# Altium PCB 202101904XB(公开).PcbDoc (part 6 of 6)
Units mil, origin at the board's own origin, x right, y up, seen from the top; angles counter-clockwise.
Board outline 5834.66 x 3390.86 mil, 10 copper layers (Top, GND_02, sig_03, GND04, sig_05, PWR06, GND07, sig_08, GND09, Bottom); 610 components, 281 nets, 2214 pads, 1000 vias.
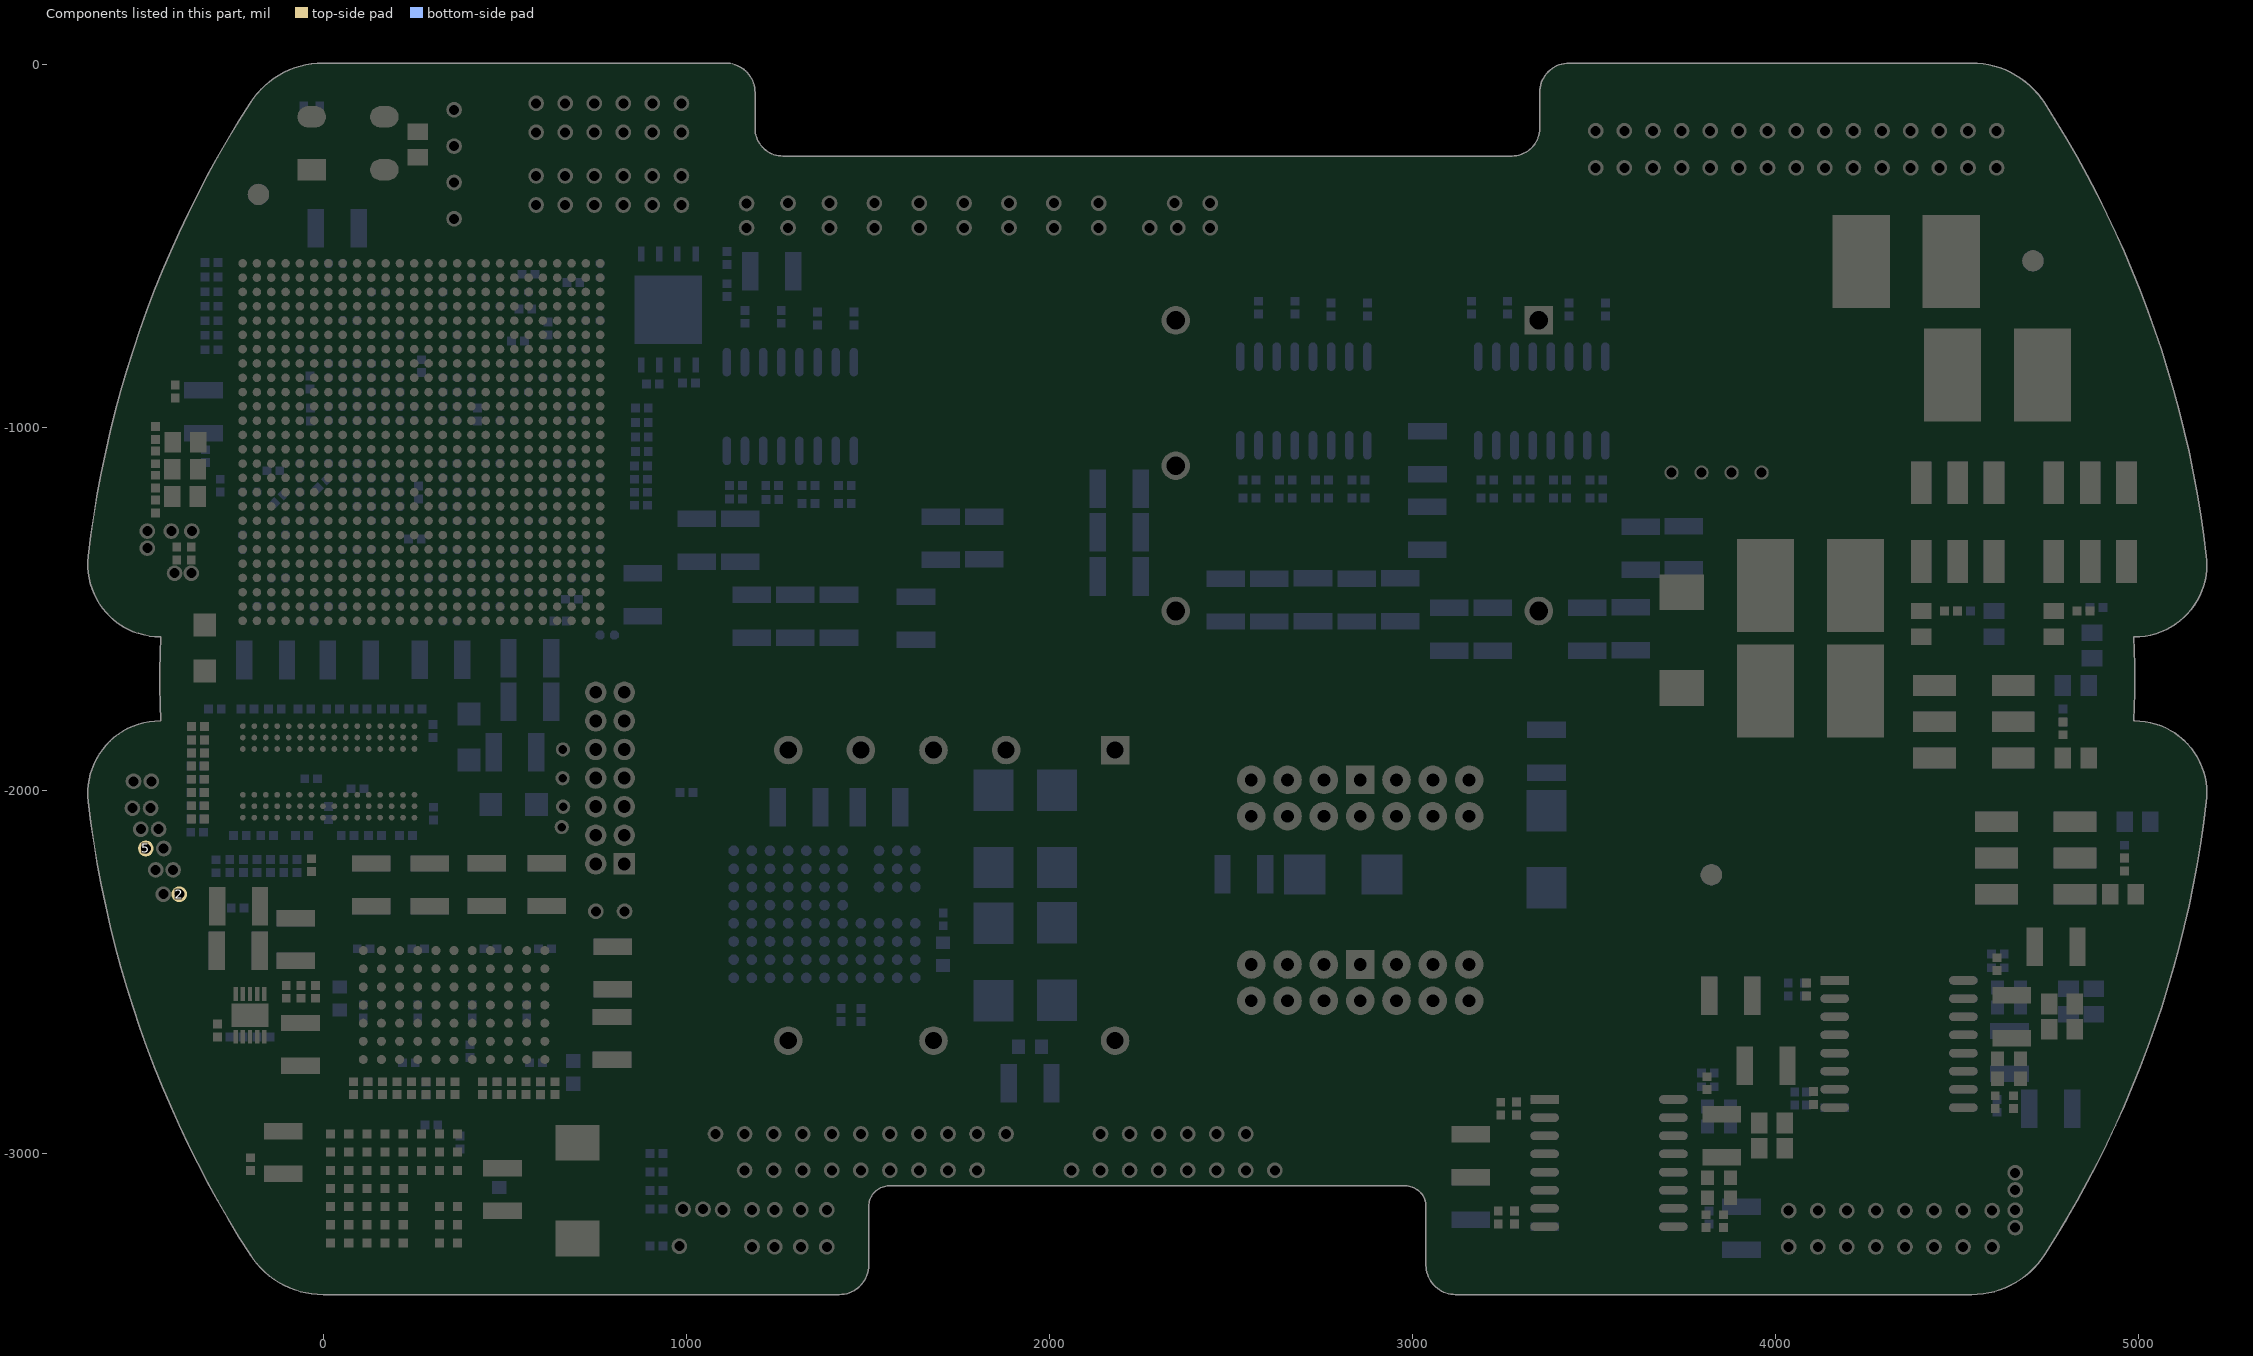
[diagram p14: the components of this part, seen from the top]

## Via types
v1: diameter 18, hole 10, Top to Bottom, tented both sides, 880 vias
v2: diameter 16, hole 8, Top to Bottom, tented both sides, 91 vias
v3: diameter 50, hole 28, Top to Bottom, tented both sides, 22 vias
v4: diameter 24, hole 12, Top to Bottom, tented both sides, 5 vias
v5: diameter 40, hole 40, Top to Bottom, 2 vias

## Nets (pads, with @x,y where several pads share a name; then routed paths per layer and width w, separated by ;. In a path a pad name is that pad's centre, name@x,y a point inside that pad or via, vN(x,y) a via of type N, cw(c..) or ccw(c..) an arc to the next point about the centre after c; other vN are vias at no path point) (continued)
pads on no net: D1.A3 D1.A4 D1.A8 D1.A9 D1.A10 D1.A12 D1.A13 D1.A14 D1.A15 D1.A17 D1.A18 D1.A19 D1.A20 D1.AA4 D1.AA12 D1.AA13 D1.AA14 D1.AA15 D1.AA17 D1.AA18 D1.AA19 D1.AA20 D1.AA22 D1.AA23 D1.AA24 D1.AB4 D1.AB6 D1.AB11 D1.AB12 D1.AB14 D1.AB15 D1.AB16 D1.AB17 D1.AB19 D1.AB20 D1.AB21 D1.AB22 D1.AB24 D1.AC3 D1.AC4 D1.AC6 D1.AC11 D1.AC12 D1.AC13 D1.AC14 D1.AC16 D1.AC17 D1.AC18 D1.AC19 D1.AC21 D1.AC22 D1.AC23 D1.AD1 D1.AD4 D1.AD5 D1.AD6 D1.AD10 D1.AD11 D1.AD13 D1.AD14 D1.AD15 D1.AD16 D1.AD18 D1.AD19 D1.AD20 D1.AD21 D1.AD23 D1.AD24 D1.AE1 D1.AE2 D1.AE3 D1.AE5 D1.AE6 D1.AE8 D1.AE10 D1.AE12 D1.AE13 D1.AE15 D1.AE16 D1.AE17 D1.AE18 D1.AE20 D1.AE21 D1.AE22 D1.AE23 D1.AF2 D1.AF3 D1.AF4 D1.AF5 D1.AF8 D1.AF9 D1.AF10 D1.AF12 D1.AF13 D1.AF14 D1.AF15 D1.AF17 D1.AF18 D1.AF19 D1.AF20 D1.AF22 D1.AF23 D1.AF24 D1.B1 D1.B2 D1.B3 D1.B5 D1.B6 D1.B9 D1.B10 D1.B11 D1.B12 D1.B14 D1.B15 D1.B16 D1.B17 D1.B19 D1.B20 D1.B21 D1.B26 D1.C2 D1.C3 D1.C4 D1.C6 D1.C9 D1.C11 D1.C12 D1.C13 D1.C14 D1.C16 D1.C17 D1.C18 D1.C19 D1.C24 D1.C26 D1.D1 D1.D2 D1.D3 D1.D5 D1.D6 D1.D8 D1.D9 D1.D10 D1.D11 D1.D13 D1.D14 D1.D15 D1.D16 D1.D18 D1.D19 D1.D20 D1.D21 D1.E3 D1.E4 D1.E6 D1.E11 D1.E12 D1.E13 D1.E15 D1.E16 D1.E17 D1.E18 D1.E20 D1.E21 D1.F1 D1.F2 D1.F5 D1.F6 D1.F8 D1.F9 D1.F12 D1.F13 D1.F14 D1.F15 D1.F17 D1.F18 D1.F19 D1.F20 D1.G2 D1.G3 D1.G4 D1.G6 D1.G9 D1.G10 D1.G14 D1.G15 D1.G16 D1.G17 D1.G19 D1.G20 D1.H1 D1.H2 D1.H3 D1.H5 D1.H6 D1.H8 D1.H12 D1.H13 D1.H14 D1.H16 D1.H17 D1.H18 D1.H19 D1.J3 D1.J4 D1.J6 D1.J10 D1.J11 D1.J13 D1.J14 D1.J15 D1.J16 D1.J18 D1.J19 D1.J20 D1.J21 D1.J24 D1.K1 D1.K2 D1.K5 D1.K6 D1.K15 D1.K16 D1.K17 D1.K18 D1.K20 D1.K21 D1.L2 D1.L3 D1.L4 D1.L6 D1.L17 D1.L18 D1.L19 D1.L20 D1.M1 D1.M2 D1.M3 D1.M5 D1.M6 D1.M16 D1.M17 D1.M19 D1.M20 D1.M21 D1.M22 D1.M24 D1.N3 D1.N4 D1.N6 D1.N16 D1.N17 D1.N18 D1.N19 D1.N21 D1.P1 D1.P2 D1.P16 D1.P18 D1.P19 D1.P20 D1.P21 D1.P23 D1.R3 D1.R4 D1.R16 D1.R17 D1.R18 D1.R20 D1.R21 D1.R22 D1.R23 D1.T17 D1.T18 D1.T19 D1.T20 D1.T22 D1.T23 D1.T24 D1.U16 D1.U17 D1.U19 D1.U20 D1.U21 D1.U22 D1.U24 D1.V13 D1.V14 D1.V16 D1.V17 D1.V18 D1.V19 D1.V21 D1.V22 D1.V23 D1.W13 D1.W14 D1.W15 D1.W16 D1.W18 D1.W19 D1.W20 D1.W21 D1.W23 D1.Y5 D1.Y6 D1.Y12 D1.Y13 D1.Y15 D1.Y16 D1.Y17 D1.Y18 D1.Y20 D1.Y21 D1.Y22 D1.Y23 D2.9 D3.J1 D3.J9 D3.L1 D3.L9 D3.M7 D6.7 D6.8 D7.7 D7.9 D8.3 D9.1 D9.3 D9.5 D9.6 D10.C7 D10.F3 D10.J3 J1.12 J1.14 K5.3 K6.3 K7.3 K8.3 K9.3 K10.3 K11.3 K12.3 K20.12 K20.22 K20.32 K20.42 K21.12 K21.22 K21.32 K21.42 Y2.1
copper on no net:
  other v5: 1515.64,-1615.67 1515.64,-611.76

## Polygon pours and split planes (outlines as drawn)
+5V2 on Top "TOP-+5V2" (solid, pour order 184): 47 vertices, not listed, extent -175,-3259 132.33,-3034.42
GND on Top "TOP-GND" (solid, pour order 135): -95.67,-368.42 -113,-313.95 -112.67,-168.7 -113.14,-140.34 -60,-103.09 -33,-82 250,-82 316.33,-131.89 316.33,-331.75 276.33,-368.42
DDRVREF on Top "TOP-DDRVREF" (solid, pour order 188): 27 vertices, not listed, extent -305.67,-2729.42 -235.67,-2660.42
+1.5V on Top "TOP-+1.5V 1" (solid, pour order 182): 30 vertices, not listed, extent -188.67,-2578.42 60.33,-2447.42
+3.3V on Top "TOP-+1.5V" (solid, pour order 178): 135 vertices, not listed, extent 395.33,-2486.32 544.33,-2293.42
+1.0V on Top "TOP-+1.0V" (solid, pour order 176): 80 vertices, not listed, extent 557.33,-2551.42 680.33,-2290.42
+5V on Top "TOP-+5V" (solid, pour order 172): 652.33,-2530.42 656.33,-2526.42 843.33,-2526.42 856.33,-2539.42 856.33,-2638.42 850.33,-2644.42 663.33,-2644.42 652.33,-2633.42 652.33,-2530.42
KZGD+ on Top "TOP-KZGD+" (solid, pour order 169): 3648.72,-1864.75 3648.72,-1943.75 3642.72,-1949.75 3464.72,-1949.75 3453.72,-1938.75 3453.72,-1868.75 3466.72,-1855.75 3639.72,-1855.75 3648.72,-1864.75
+B on Top "TOP-+B 2" (solid, pour order 167): 610.33,-3184.42 784.33,-3184.42 788.33,-3188.42 788.33,-3270.42 768.33,-3290.42 315.33,-3290.42 303.33,-3278.42 303.33,-3139.42 309.33,-3133.42 559.33,-3133.42 610.33,-3184.42
+B on Top "TOP-+B 1" (solid, pour order 161): 562,-218 1016,-218 1016,-77 562,-77 562,-218
+1.8V on Top "TOP-+1.8V" (solid, pour order 157): 238.33,-2296.42 239.33,-2295.42 345.33,-2295.42 349.33,-2299.42 349.33,-2388.42 341.33,-2396.42 269.33,-2396.42 238.33,-2365.42 238.33,-2296.42
+3.3V on Top "TOP-+3.3V 2" (solid, pour order 154): 82 vertices, not listed, extent -228.67,-2812.42 3.33,-2660.92
+3.3V on Top "TOP-+3.3V 1" (solid, remove dead copper, pour order 153): 233 vertices, not listed, extent 687.33,-1683.42 1890.33,-564.42
+1.5V on Top "TOP-+3.3V" (solid, pour order 150): 89 vertices, not listed, extent 77.33,-2500.42 223.33,-2293.42
GND on Top "TOP-GND 6" (solid, pour order 145): 430.33,-3051.42 430.33,-2936.42 446.33,-2920.42 754.33,-2920.42 774.33,-2940.42 774.33,-2995.42 753.33,-3016.42 587.33,-3016.42 543.33,-3060.42 439.33,-3060.42 430.33,-3051.42
GND on Top "TOP-GND 5" (solid, pour order 144): 670,-2178.42 670,-2221.42 666.18,-2225.42 39.1,-2225.42 34.33,-2220.42 34.33,-2171.42 43.87,-2161.42 653.77,-2161.42 670,-2178.42
GND on Top "TOP-GND 3" (solid, pour order 141): 736.58,-2722.08 739.58,-2719.08 856.58,-2719.08 860.58,-2723.08 860.58,-2815.08 849.58,-2826.08 742.58,-2826.08 736.58,-2820.08 736.58,-2722.08
GND on Top "TOP-GND 2" (solid, pour order 139): 17 vertices, not listed, extent -198.67,-2497.42 33.33,-2210.42
GND on Top "TOP-GND 1" (solid, pour order 137): 24 vertices, not listed, extent -256.67,-2663.42 2.33,-2559.42
HC3+ on Top "TOP-HC3+" (solid, pour order 116): 3890.33,-1562.42 4052.58,-1562.42 4052.58,-1265.14 3890.33,-1265.14 3890.33,-1562.42
HC4+ on Top "TOP-HC4+" (solid, pour order 113): 4052.81,-1784 3824,-1784 3824,-1897.14 4052.81,-1897.14 4052.81,-1784
JS1 on Top "TOP-JS1" (solid, pour order 107): 4460.58,-1206.14 4460.58,-1046.14 4405.58,-991.14 4405.58,-416.14 4565.58,-416.14 4565.58,-1016.14 4535.58,-1046.14 4535.58,-1206.14 4525.58,-1216.14 4470.58,-1216.14 4460.58,-1206.14
JS2 on Top "TOP-JS2" (solid, pour order 106): 4350.58,-1856.14 4145.58,-1856.14 4135.58,-1846.14 4135.58,-1311.14 4145.58,-1301.14 4290.58,-1301.14 4300.58,-1311.14 4300.58,-1721.14 4355.58,-1776.14 4495.58,-1776.14 4500.58,-1781.14 4500.58,-1831.14 4490.58,-1841.14 4365.58,-1841.14 4350.58,-1856.14
GND on Top "NetR41_1" (solid, remove dead copper, pour order 115): 31 vertices, not listed, extent -222.36,-3109 182.64,-2911
+3.3V on Top "NetR41_1" (solid, remove dead copper, pour order 123): 3176.64,-2884 3165.64,-2884 3135.64,-2854 3134.64,-2853 3119.64,-2853 3108.64,-2853 3101.64,-2860 3101.64,-2964.19 3106.46,-2969 3209.64,-2969 3216.64,-2962 3216.64,-2890 3210.64,-2884 3177.64,-2884
DDR0V75 on Top "TOP-DDR0V75" (solid, pour order 185): 37 vertices, not listed, extent -395,-2580.18 -62.67,-1872.84
GND on sig_03 "GND" (solid, remove dead copper, pour order 103): 3478,-1545 3707,-1545 3980,-1818 3980,-2863 3933,-2910 3536,-2910 3465,-2832 3465,-1565
GND on sig_03 "GND" (solid, remove dead copper, pour order 100): 38 vertices, not listed, extent 572,-2418 4992,-244
GND on sig_03 "GND" (solid, remove dead copper, pour order 99): 20 vertices, not listed, extent 914,-2822 3199,-1694
GND on sig_03 "GND-2YL" (solid, remove dead copper, pour order 104): 329,-2903 329,-3282 2.64,-3282 -67.36,-3211.31 -67.36,-3084.06 -93.36,-3057.81 -93.36,-2945.71 -305.36,-2731.62 -305.36,-2617.5 -254.36,-2566 70.64,-2566 112.64,-2608.41 112.64,-2734.65 87.64,-2759.9 87.64,-2903.3
GND on sig_03 "GND-2YL" (solid, remove dead copper, pour order 110): 26 vertices, not listed, extent -445.36,-1139 242.64,-174
+B on sig_03 "SIG_03-+B" (solid, pour order 162): 571.06,-211 1019,-211 1019,-84 564,-84 564,-198.11 571.06,-211
+1.5V on sig_03 "NetR41_1" (solid, remove dead copper, pour order 101): 101.64,-2337 201.64,-2337 213.64,-2349.18 213.64,-2515.64 189.64,-2540 -14.36,-2540 -33.36,-2520.72 -33.36,-2361.36 -29.36,-2357.3 -9.36,-2337 99.64,-2337
+1.8V on sig_03 "1.8V" (solid, remove dead copper, pour order 112): 29 vertices, not listed, extent 16,-2484 542,-883.66
GND on sig_05 "GND" (solid, remove dead copper, pour order 117): 20 vertices, not listed, extent 2419,-1744 4268,-421
GND on sig_05 "GND" (solid, remove dead copper, pour order 111): 3476,-230 3476,-359 3500,-383 3834,-717 4262,-717 4722,-717 4805,-634 4807,-632 4807,-456 4807,-413 4633,-239 4611,-217 3476,-217
GND on sig_05 "GND" (solid, remove dead copper, pour order 105): 3567,-2733 3883,-2417 4936,-2417 4936,-2527 4920,-2599 4920,-2745 4755,-2910 4755,-3087 4695,-3147 3233,-3148 3089,-3015 2921,-3014 2921,-2752 2940,-2733
KZGD- on sig_05 "KZGD-" (solid, remove dead copper, pour order 97): 1952,-2819.63 1952,-2922.48 1892.09,-2975.35 1871.39,-2993.61 1539.15,-2993.61 1495,-3063 1412,-3125 1412,-3306 1079.47,-3306 1025,-3257.94 1026.09,-3256.98 1026.09,-2905.18 1163.34,-2784.07 1189.49,-2761 1859.41,-2761
GND on sig_05 "NetR41_1" (solid, remove dead copper, pour order 124): 1810.64,-729 2130.64,-1049 2130.64,-1481 2087.64,-1524 1839.64,-1524 1665.64,-1698 1342.64,-1698 1243.64,-1599 1243.64,-1570 1209.64,-1536 1100.64,-1536 1038.64,-1474 1039,-765 1106,-729
GND on sig_05 "GND-2YL" (solid, remove dead copper, pour order 122): 1341.64,-2103 1773.64,-2103 1826.64,-2156 1826.64,-2530 1771.64,-2585 1119.64,-2585 1069.64,-2535 1069.64,-2361 1119.64,-2311 1327.64,-2103 1341.64,-2103
GND on sig_05 "GND-2YL" (solid, remove dead copper, pour order 120): 18 vertices, not listed, extent -189.36,-2440 648,-2159
GND on sig_05 "GND-2YL" (solid, remove dead copper, pour order 119): 68.64,-2825 724.64,-2825 746.64,-2847 746.64,-3211 675.64,-3282 464.64,-3282 43.64,-3282 -15.36,-3223 -20.36,-3218 -20.36,-2846 0.64,-2825 67.64,-2825
VCCADC on sig_05 "SIG_05-VCCADC" (solid, pour order 191): 101 vertices, not listed, extent 173.33,-1025.42 279.33,-953.42
+5V on sig_05 "SIG_05-+5V" (solid, pour order 171): 734.33,-2491.42 761.33,-2518.42 761.33,-2755.42 714.33,-2802.42 82.33,-2802.42 45.33,-2765.42 45.33,-2532.42 86.33,-2491.42 734.33,-2491.42
+B on sig_05 "SIG_05-+B" (solid, pour order 163): 568.82,-215 1014,-215 1014,-83 561,-83 561,-200.11 568.82,-215
AGND on sig_05 "SIG_05-AGND" (solid, pour order 147): 128.33,-1053.42 144.33,-1037.42 206.33,-1037.42 212.33,-1043.42 212.33,-1122.42 204.33,-1130.42 130.33,-1130.42 128.33,-1128.42 128.33,-1053.42
NetK5_5 on sig_05 "SIG_05-NETK5_5" (solid, pour order 125): 186 vertices, not listed, extent 4362.33,-1275.42 4901.33,-1040.42
+B on sig_05 "SIG_05-+B 1" (solid, pour order 168): 2501.64,-3050 2501.64,-2868.6 2110.33,-2487.47 2110.33,-2316.06 2124.33,-2302.42 2433.33,-2302.42 2480.33,-2348.2 2478.33,-2350.15 2478.33,-2586.82 2530.33,-2637.46 2598.33,-2637.46 2755.64,-2790.68 2755.64,-2972.19 2659.33,-3066 2518.07,-3066
NetK9_5 on sig_05 "NetR41_1" (solid, remove dead copper, pour order 128): 17 vertices, not listed, extent 4158.64,-2317 4603.64,-1658
GND on sig_08 "GND" (solid, remove dead copper, pour order 114): 4,-2880 -18,-2880 -50,-2912 -62,-2924 -62,-3190 -62,-3220 -5,-3277 10,-3292 497,-3292 561,-3292 616,-3237 637,-3216 637,-2983 637,-2934 584,-2881
GND on sig_08 "GND" (solid, remove dead copper, pour order 108): 23 vertices, not listed, extent 1246,-1430 5021,-249
KZGD+ on sig_08 "KZGD+" (solid, remove dead copper, pour order 98): 28 vertices, not listed, extent 694,-3237 4187,-1855
DDRVREF on sig_08 "SIG_08-DDRVREF" (solid, pour order 187): 190 vertices, not listed, extent -52.67,-1872.42 171.33,-1255.42
+B on sig_08 "SIG_08-+B" (solid, pour order 164): 563,-211 1019,-211 1019,-87 563,-87 563,-211
+3.3V on sig_08 "NetR41_1" (solid, remove dead copper, pour order 109): -36.36,-1184 -391.36,-1184 -440.36,-1135 -440.36,-965 -304.36,-829 -304.36,-494 -275.36,-465 198.64,-465 268.64,-535 268.64,-758 240.64,-786 26.64,-786 3.64,-809 3.64,-1144
+BB on sig_08 "SIG_08-+BB" (solid, remove dead copper, pour order 158): 125 vertices, not listed, extent 959.33,-2277.42 3665.83,-1390.42
+1.0V on sig_08 "1.0V" (solid, remove dead copper, pour order 102): 664.58,-2536.74 606.18,-2536.74 291,-2221.57 291,-1297.77 19,-1025.77 19,-834 302,-834 515,-1044 514,-2203 665,-2356
+BB on Bottom "BOTTOM-+BB" (solid, pour order 159): 22 vertices, not listed, extent 1505.58,-2431.14 2090.58,-1988.64
VCCADC on Bottom "BOTTOM-VCCADC" (solid, pour order 192): 441.33,-1848.42 446.33,-1843.42 484.33,-1843.42 493.33,-1852.42 493.33,-1970.42 478.33,-1985.42 379.33,-1985.42 370.33,-1976.42 370.33,-1893.42 378.33,-1885.42 439.33,-1885.42 441.33,-1883.42 441.33,-1848.42
NetC271_2 on Bottom "BOTTOM-NETC271_2" (solid, pour order 190): 1965.58,-2686.14 2113.61,-2686.14 2168.61,-2631.14 2235.58,-2631.14 2260.58,-2656.14 2260.58,-2823.74 2223.18,-2861.14 2000.58,-2861.14 1985.58,-2846.14 1985.58,-2746.14 1960.58,-2721.14 1960.58,-2691.14 1965.58,-2686.14
NetC271_1 on Bottom "BOTTOM-NETC271_1" (solid, pour order 189): 1635.58,-2823.74 1635.58,-2656.14 1660.58,-2631.14 1700.58,-2631.14 1755.58,-2686.14 1930.58,-2686.14 1935.58,-2691.14 1935.58,-2721.14 1910.58,-2746.14 1910.58,-2846.14 1895.58,-2861.14 1672.99,-2861.14 1650.58,-2838.74 1635.58,-2823.74
+1.5V on Bottom "BOTTOM-+1.5V 4" (solid, pour order 183): -387.67,-994.42 -382.67,-989.42 -268.67,-989.42 -260.67,-981.42 -189.67,-981.42 -179.67,-991.42 -179.67,-1032.42 -197.67,-1050.42 -260.67,-1050.42 -267.67,-1043.42 -382.67,-1043.42 -387.67,-1038.42 -387.67,-994.42
+1.5V on Bottom "BOTTOM-+1.5V 3" (solid, pour order 181): -133.67,-2448.42 -129.67,-2444.42 37.33,-2444.42 52.33,-2459.42 52.33,-2496.42 43.33,-2505.42 -119.67,-2505.42 -133.67,-2491.42 -133.67,-2448.42
+1.5V on Bottom "BOTTOM-+1.5V 2" (solid, pour order 180): 113.78,-1698.42 108.78,-1693.42 108.78,-1587.42 115.28,-1580.92 180.28,-1580.92 184.78,-1585.42 184.78,-1690.42 176.78,-1698.42 113.78,-1698.42
+1.5V on Bottom "BOTTOM-+1.5V 1" (solid, pour order 179): -116.16,-1698.42 -121.16,-1693.42 -121.16,-1587.42 -114.66,-1580.92 -55.67,-1580.92 -46.67,-1589.92 -46.67,-1691.42 -53.67,-1698.42 -116.16,-1698.42
+3.3V on Bottom "BOTTOM-+1.5V" (solid, pour order 177): 18 vertices, not listed, extent 395.33,-2478.42 547.33,-2295.42
+1.0V on Bottom "BOTTOM-+1.0V 1" (solid, pour order 175): 19 vertices, not listed, extent 560.33,-2525.42 679.33,-2294.42
+1.0V on Bottom "BOTTOM-+1.0V" (solid, pour order 174): 362.33,-1580.42 363.33,-1579.42 429.33,-1579.42 432.33,-1582.42 432.33,-1685.42 427.33,-1690.42 368.33,-1690.42 362.33,-1684.42 362.33,-1580.42
+5V on Bottom "BOTTOM-+5V" (solid, pour order 173): 114 vertices, not listed, extent 654.33,-2647.42 1295.58,-1986.14
NetD9_2 on Bottom "BOTTOM-NETD9_2" (solid, pour order 170): 1787.58,-2058.14 2082.58,-2058.14 2082.58,-1833.42 1787.58,-1833.42 1787.58,-2058.14
+B on Bottom "BOTTOM-+B 2" (solid, pour order 166): 435.33,-3148.42 446.33,-3137.42 548.33,-3137.42 558.33,-3147.42 558.33,-3264.42 547.33,-3275.42 447.33,-3275.42 435.33,-3263.42 435.33,-3148.42
+B on Bottom "BOTTOM-+B 1" (solid, pour order 165): 560,-219 1016,-219 1016,-80 560,-80 560,-219
+1.8V on Bottom "BOTTOM-+1.8V 1" (solid, pour order 156): 27 vertices, not listed, extent 238.33,-2476.42 357.33,-2296.42
+1.8V on Bottom "BOTTOM-+1.8V" (solid, pour order 155): 528.33,-1808.42 515.33,-1821.42 370.33,-1821.42 366.33,-1817.42 366.33,-1759.42 372.33,-1753.42 436.33,-1753.42 448.33,-1741.42 448.33,-1583.42 454.33,-1577.42 523.33,-1577.42 528.33,-1582.42 528.33,-1808.42
+3.3V on Bottom "BOTTOM-+3.3V 2" (solid, pour order 152): 824.33,-1421.42 824.33,-1344.42 830.33,-1338.42 931.33,-1338.42 940.33,-1347.42 940.33,-1418.42 934.33,-1424.42 827.33,-1424.42 824.33,-1421.42
+3.3V on Bottom "BOTTOM-+3.3V 1" (solid, pour order 151): 106.32,-537.4 71.33,-502.42 71.33,-397.42 72.33,-396.42 157.33,-396.42 167.33,-406.42 167.33,-532.42 162.34,-537.4 106.32,-537.4
+1.5V on Bottom "BOTTOM-+3.3V" (solid, pour order 149): 75.33,-2300.42 80.33,-2295.42 186.33,-2295.42 203.33,-2312.42 203.33,-2443.42 198.33,-2448.42 177.33,-2448.42 148.33,-2477.42 125.33,-2477.42 116.33,-2468.42 116.33,-2409.42 75.33,-2368.42 75.33,-2300.42
AGND on Bottom "BOTTOM-AGND" (solid, pour order 148): 556.33,-1851.42 565.33,-1842.42 608.33,-1842.42 618.33,-1852.42 618.33,-2060.42 608.33,-2070.42 562.33,-2070.42 556.33,-2064.42 556.33,-1851.42
GND on Bottom "BOTTOM-GND 14" (solid, pour order 146): 1330.58,-2326.14 1315.58,-2311.14 1315.58,-2134.64 1345.58,-2104.64 1345.58,-1993.64 1350.58,-1988.64 1493.08,-1988.64 1500.58,-1996.14 1500.58,-2119.76 1498.56,-2121.77 1498.56,-2283.16 1455.58,-2326.14 1330.58,-2326.14
GND on Bottom "BOTTOM-GND 13" (solid, pour order 143): 34.33,-2177.42 49.6,-2161.42 658.5,-2161.42 669,-2172.42 669,-2224.42 666.14,-2227.42 43.87,-2227.42 34.33,-2217.42 34.33,-2177.42
GND on Bottom "BOTTOM-GND 12" (solid, pour order 142): 860.33,-2723.42 860.33,-2815.42 849.33,-2826.42 742.33,-2826.42 736.33,-2820.42 736.33,-2766.42 732.33,-2762.42 679.33,-2762.42 671.33,-2754.42 671.33,-2728.42 680.33,-2719.42 856.33,-2719.42 860.33,-2723.42
GND on Bottom "BOTTOM-GND 10" (solid, pour order 140): -258.67,-936.42 -276.67,-918.42 -378.67,-918.42 -384.67,-912.42 -384.67,-849.42 -367.67,-832.42 -163.67,-832.42 -150.67,-845.42 -150.67,-916.42 -170.67,-936.42 -258.67,-936.42
GND on Bottom "BOTTOM-GND 9" (solid, pour order 138): -148.67,-2491.42 -151.67,-2494.42 -192.67,-2494.42 -196.67,-2490.42 -196.67,-2376.42 -228.67,-2344.42 -228.67,-2291.42 -206.67,-2269.42 28.33,-2269.42 38.33,-2279.42 38.33,-2356.42 20.33,-2374.42 -136.67,-2374.42 -148.67,-2386.42 -148.67,-2491.42
GND on Bottom "BOTTOM-GND 8" (solid, pour order 136): 495.33,-2007.42 496.33,-2008.42 496.33,-2069.42 493.33,-2072.42 402.33,-2072.42 396.33,-2066.42 396.33,-2011.42 400.33,-2007.42 495.33,-2007.42
GND on Bottom "BOTTOM-GND 6" (solid, pour order 134): 603.33,-1588.42 608.33,-1583.42 678.33,-1583.42 696.33,-1601.42 696.33,-1795.42 683.33,-1808.42 618.33,-1808.42 603.33,-1793.42 603.33,-1588.42
GND on Bottom "BOTTOM-GND 5" (solid, pour order 133): 888.33,-1227.42 880.33,-1219.42 880.33,-1094.42 881.33,-1093.42 881.33,-939.42 886.32,-934.44 939.34,-934.44 958.33,-953.42 958.33,-1223.42 954.33,-1227.42 888.33,-1227.42
GND on Bottom "BOTTOM-GND 4" (solid, pour order 132): -200.67,-1698.42 -263.67,-1698.42 -271.67,-1690.42 -271.67,-1585.42 -267.17,-1580.92 -202.17,-1580.92 -195.67,-1587.42 -195.67,-1693.42 -200.67,-1698.42
GND on Bottom "BOTTOM-GND 3" (solid, pour order 131): 29.27,-1698.42 -33.73,-1698.42 -38.67,-1693.48 -38.67,-1582.36 -37.23,-1580.92 27.77,-1580.92 34.27,-1587.42 34.27,-1693.42 29.27,-1698.42
GND on Bottom "BOTTOM-GND 2" (solid, pour order 129): 282.33,-1697.42 219.33,-1697.42 211.33,-1689.42 211.33,-1584.42 215.83,-1579.92 280.83,-1579.92 287.33,-1586.42 287.33,-1692.42 282.33,-1697.42
GND on Bottom "BOTTOM-GND 1" (solid, pour order 127): 936.83,-1500.85 936.83,-1577.85 930.83,-1583.85 829.83,-1583.85 820.83,-1574.85 820.83,-1503.85 826.83,-1497.85 933.83,-1497.85 936.83,-1500.85
GND on Bottom "BOTTOM-GND" (solid, pour order 126): 1.33,-392.42 1.33,-505.42 20.33,-524.42 20.33,-602.42 2.33,-620.42 -100.67,-620.42 -132.67,-588.42 -132.67,-410.42 -107.67,-385.42 -5.67,-385.42 1.33,-392.42
NetR6_1 on Bottom "BOTTOM-NETR6_1" (solid, pour order 121): 2754.64,-2284.14 2754.64,-2174.14 2574.64,-2174.14 2574.64,-2284.14 2754.64,-2284.14
+3.3V on Bottom "NetR41_1" (solid, remove dead copper, pour order 118): 20 vertices, not listed, extent 3100.64,-3205 3299.64,-3112
DDR0V75 on Bottom "BOTTOM-DDR0V75" (solid, pour order 186): 29 vertices, not listed, extent -411.67,-2494.42 -62.67,-1858.64
DDR0V75 on Bottom "NetR41_1" (solid, remove dead copper, pour order 130): -411.67,-1858.64 -402.06,-1849.03 -387.51,-1849.03 -381.94,-1843.46 -381.94,-1812.36 -380.97,-1811.4 -359.98,-1811.4 -351.38,-1811.4 -349.82,-1812.95 -349.82,-1878.95 -357.58,-1886.71 -397.48,-1886.71 -403.4,-1880.78 -411.67,-1872.51 -411.67,-1858.64
+B on Bottom "+B" (solid, pour order 160): 1790.58,-2640.04 2117.71,-2640.04 2238,-2519 2238,-2299 2134,-2299 2108,-2325 2108.33,-2495.42 2083.71,-2520.04 1790.58,-2520.04
GND on GND_02 (split plane): 553 vertices, not listed, extent -607.79,-3348.31 5146.95,-37.52
GND on GND04 (split plane): 553 vertices, not listed, extent -607.79,-3348.31 5146.95,-37.52
KZGD- on PWR06 (split plane): 63 vertices, not listed, extent 2009.1,-1886.04 3703.9,-999.1
KZGD+ on PWR06 (split plane): 41 vertices, not listed, extent 2009.1,-1638.9 3390.9,-1218.1
+B on PWR06 (split plane): 391 vertices, not listed, extent 406.74,-3308.26 5106.95,-77.53
+3.3V on PWR06 (split plane): 129 vertices, not listed, extent 1347.1,-3308.3 5038.44,-584.1
+1.5V on PWR06 (split plane): 161 vertices, not listed, extent -567.8,-2529.44 403.08,-1033.56
AGND on PWR06 (split plane): 43 vertices, not listed, extent -561.92,-1323.44 277.08,-862.56
+3.3V on PWR06 (split plane): 181 vertices, not listed, extent -457.95,-3308.3 945.55,-77.53
GND on GND07 (split plane): 553 vertices, not listed, extent -607.79,-3348.31 5146.95,-37.52
GND on GND09 (split plane): 553 vertices, not listed, extent -607.79,-3348.31 5146.95,-37.52

## Other copper
Top:
  rectangle net HC2+: 4086,-671 4245,-416
  rectangle net HC1+: 4654.64,-984 4861.64,-726
  rectangle net SGND: 661.64,-2907 717.64,-2833
  rectangle net DDR0V75: -374.95,-1883.46 -350.76,-1811.12
  rectangle net GND: 745,-2451 860,-2388
  pour cut-out: 936.93,-1170.6 936.65,-1170.39 936.36,-1170.2 936.05,-1170.03 935.73,-1169.9 935.4,-1169.79 935.06,-1169.71 934.71,-1169.66 934.37,-1169.64 934.02,-1169.66 933.67,-1169.7 933.33,-1169.77 932.99,-1169.87 932.67,-1170 932.36,-1170.16 932.06,-1170.35 931.79,-1170.56 931.73,-1170.6 931.73,-1170.61 930.63,-1171.47 929.46,-1172.23 928.22,-1172.88 926.94,-1173.43 925.61,-1173.86 924.25,-1174.18 922.86,-1174.37 921.47,-1174.44 920.07,-1174.39 918.68,-1174.22 917.31,-1173.93 915.98,-1173.52 914.68,-1173 913.44,-1172.37 912.25,-1171.63 911.14,-1170.78 910.1,-1169.85 909.14,-1168.83 908.28,-1167.73 907.52,-1166.55 906.87,-1165.32 906.32,-1164.03 905.89,-1162.7 905.58,-1161.34 905.38,-1159.96 905.31,-1158.56 905.36,-1157.17 905.53,-1155.78 905.82,-1154.41 906.23,-1153.07 906.75,-1151.78 907.39,-1150.53 908.13,-1149.35 908.97,-1148.23 909.9,-1147.19 910.92,-1146.24 912.03,-1145.38 913.2,-1144.62 914.43,-1143.96 915.72,-1143.42 917.05,-1142.99 918.41,-1142.67 919.79,-1142.48 921.19,-1142.4 922.59,-1142.45 923.97,-1142.62 925.34,-1142.91 926.68,-1143.32 927.97,-1143.85 929.22,-1144.48 930.4,-1145.22 931.52,-1146.06 931.73,-1146.24 932,-1146.46 932.3,-1146.65 932.6,-1146.81 932.92,-1146.95 933.26,-1147.06 933.6,-1147.14 933.94,-1147.19 934.29,-1147.2 934.64,-1147.19 934.99,-1147.15 935.33,-1147.08 935.66,-1146.98 935.98,-1146.85 936.29,-1146.69 936.59,-1146.5 936.87,-1146.29 936.93,-1146.24 936.92,-1146.24 938.03,-1145.38 939.2,-1144.62 940.43,-1143.96 941.72,-1143.42 943.05,-1142.99 944.41,-1142.67 945.79,-1142.48 947.19,-1142.4 948.59,-1142.45 949.97,-1142.62 951.34,-1142.91 952.68,-1143.32 953.97,-1143.85 955.22,-1144.48 956.4,-1145.22 957.52,-1146.06 958.56,-1147 959.51,-1148.02 960.37,-1149.12 961.13,-1150.3 961.79,-1151.53 962.33,-1152.82 962.77,-1154.14 963.08,-1155.51 963.27,-1156.89 963.35,-1158.29 963.3,-1159.68 963.13,-1161.07 962.84,-1162.44 962.43,-1163.77 961.9,-1165.07 961.27,-1166.31 960.53,-1167.5 959.69,-1168.62 958.75,-1169.65 957.73,-1170.61 956.63,-1171.47 955.46,-1172.23 954.22,-1172.88 952.94,-1173.43 951.61,-1173.86 950.25,-1174.18 948.86,-1174.37 947.47,-1174.44 946.07,-1174.39 944.68,-1174.22 943.31,-1173.93 941.98,-1173.52 940.68,-1173 939.44,-1172.37 938.25,-1171.63 937.14,-1170.78 936.93,-1170.6
  pour cut-out: 936.93,-1015.6 936.65,-1015.39 936.36,-1015.2 936.05,-1015.03 935.73,-1014.9 935.4,-1014.79 935.06,-1014.71 934.71,-1014.66 934.37,-1014.64 934.02,-1014.66 933.67,-1014.7 933.33,-1014.77 932.99,-1014.87 932.67,-1015 932.36,-1015.16 932.06,-1015.35 931.79,-1015.56 931.73,-1015.6 931.73,-1015.61 930.63,-1016.47 929.46,-1017.23 928.22,-1017.88 926.94,-1018.43 925.61,-1018.86 924.25,-1019.18 922.86,-1019.37 921.47,-1019.44 920.07,-1019.39 918.68,-1019.22 917.31,-1018.93 915.98,-1018.52 914.68,-1018 913.44,-1017.37 912.25,-1016.63 911.14,-1015.78 910.1,-1014.85 909.14,-1013.83 908.28,-1012.73 907.52,-1011.55 906.87,-1010.32 906.32,-1009.03 905.89,-1007.7 905.58,-1006.34 905.38,-1004.96 905.31,-1003.56 905.36,-1002.17 905.53,-1000.78 905.82,-999.41 906.23,-998.07 906.75,-996.78 907.39,-995.53 908.13,-994.35 908.97,-993.23 909.9,-992.19 910.92,-991.24 912.03,-990.38 913.2,-989.62 914.43,-988.96 915.72,-988.42 917.05,-987.99 918.41,-987.67 919.79,-987.48 921.19,-987.4 922.59,-987.45 923.97,-987.62 925.34,-987.91 926.68,-988.32 927.97,-988.85 929.22,-989.48 930.4,-990.22 931.52,-991.06 931.73,-991.24 932,-991.46 932.3,-991.65 932.6,-991.81 932.92,-991.95 933.26,-992.06 933.6,-992.14 933.94,-992.19 934.29,-992.2 934.64,-992.19 934.99,-992.15 935.33,-992.08 935.66,-991.98 935.98,-991.85 936.29,-991.69 936.59,-991.5 936.87,-991.29 936.93,-991.24 936.92,-991.24 938.03,-990.38 939.2,-989.62 940.43,-988.96 941.72,-988.42 943.05,-987.99 944.41,-987.67 945.79,-987.48 947.19,-987.4 948.59,-987.45 949.97,-987.62 951.34,-987.91 952.68,-988.32 953.97,-988.85 955.22,-989.48 956.4,-990.22 957.52,-991.06 958.56,-992 959.51,-993.02 960.37,-994.12 961.13,-995.3 961.79,-996.53 962.33,-997.82 962.77,-999.14 963.08,-1000.51 963.27,-1001.89 963.35,-1003.29 963.3,-1004.68 963.13,-1006.07 962.84,-1007.44 962.43,-1008.77 961.9,-1010.07 961.27,-1011.31 960.53,-1012.5 959.69,-1013.62 958.75,-1014.65 957.73,-1015.61 956.63,-1016.47 955.46,-1017.23 954.22,-1017.88 952.94,-1018.43 951.61,-1018.86 950.25,-1019.18 948.86,-1019.37 947.47,-1019.44 946.07,-1019.39 944.68,-1019.22 943.31,-1018.93 941.98,-1018.52 940.68,-1018 939.44,-1017.37 938.25,-1016.63 937.14,-1015.78 936.93,-1015.6
  pour cut-out: -77.8,-254.6 14.96,-254.6 14.96,-327.68 -77.8,-327.68 -77.8,-254.6
Bottom:
  rectangle net NetR5_1: 3313.64,-2115 3423.64,-1922
  rectangle net +BB: 1969.64,-2269 2190.64,-2150
  rectangle net GND: 439.64,-3111 567.64,-2922
  rectangle net GND: 745,-2451 860,-2388
PWR06 (plane layer: these items are gaps in the copper):
  lines w15: -655.36,-1331 -332.36,-1331 -332.36,-1026 -144.36,-1026 -114.36,-1056 82.64,-1056 131.64,-1105 131.64,-1176 135.64,-1180 225.64,-1180 258.64,-1180 410.64,-1180 410.64,-1404 410.64,-1567 392.64,-1585 392.64,-1972 352.64,-2012 352.64,-2537 301.64,-2537 -552.36,-2537 -561.36,-2546 ; -592.36,-1020 -592.36,-984.11 -583.25,-975 ; -558.36,-855 284.64,-855 284.64,-1180
  lines w40: 386.64,-3386 386.64,-3067 715.64,-3067 715.64,-2885 715.64,-2743 734.64,-2724 812.64,-2646 812.64,-2441 965.64,-2441 965.64,-1314 902.64,-1314 902.64,-820 817.64,-820 817.64,-602 817.64,-470 799.64,-470 448.64,-470 402.64,-424 402.64,2 ; 1989,-981 1989,-1337 ; 1995,-1198 3410,-1198 3411,-1199 3411,-1387 3036,-1387 2769,-1654 2650,-1654 2650,-1523 2562,-1523 2562,-1659 2404,-1659 2404,-1337 1989,-1337 ; 2734,-3087.13 2734,-2811 3724,-2811 3724,-979 1531.64,-979 1327,-979 1327,-612 2548,-612 2596,-564 3836.64,-564 3990.64,-564 3990.64,-904 3990.64,-1035.64 4136,-1181 4489,-1534 4489,-2306 4554,-2371 5115,-2371 ; 3724,-1906.14 2105.14,-1906.14 1989,-1790 1989,-1337

## Silkscreen, mask and mechanical layers (free items; w line width, h text height)
Top Overlay:
  circle w6: c-178,-359 r64.96
  circle w6: c4708,-542 r64.96
  circle w6: c3822.58,-2232.5 r64.96
  lines w5: -279.36,-2741 -244.36,-2741 -244.36,-2750 -227.36,-2750 -227.36,-2880 -369.36,-2880 -369.36,-2843 -369.36,-2741 -278.36,-2741 ; -228.36,-2843 16.64,-2843 16.64,-2519 16.64,-2512 -115.36,-2512 -125.36,-2512 -125.36,-2592 -125.36,-2597 15.64,-2597 ; 338.64,-1740 321.64,-1723 263.64,-1723 236.64,-1750 -275.36,-1750 -275.36,-1783 -275.36,-1802 -285.36,-1802 ; 377.64,-1585 430.64,-1585 430.64,-1604 430.64,-1632 425.64,-1632 379.64,-1632 ; -314.36,-1802 -285.36,-1802 ; -314.36,-1802 -285.36,-1802 ; -314.36,-1802 -389.36,-1802 -389.36,-2089 -389.36,-2106 -340.36,-2106 -285.36,-2106 -285.36,-1807 -285.36,-1802 ; -267.36,-1716 350.64,-1716 378.64,-1716 378.64,-1613 378.64,-1585 -267.36,-1585 -267.36,-1716 ; 49.64,-2859 49.64,-2779 57.64,-2779 522.64,-2779 704.64,-2779 704.64,-2859 49.64,-2859 ; 337.64,-2102 461.64,-2102 461.64,-1739 337.64,-1739 337.64,-1879 337.64,-2102 ; 440,-493 440,-27 1029,-27 1029,-277 2517,-277 2517,-493 440,-493 ; 955,-3352 1426,-3352 1426,-3090.28 1240.75,-3090.28 955,-3090.28 955,-3208.49 955,-3352 ; 1035.9,-3079.44 1035.9,-2877.79 1035.9,-2866.57 1081.26,-2866.57 1916.28,-2866.57 1916.28,-3079.44 1035.9,-3079.44 ; 2014.02,-3081.94 2014.02,-2960.85 2014.02,-2865.19 2129.74,-2865.19 2712.98,-2865.19 2712.98,-3046.48 2712.98,-3081.94 2513.13,-3081.94 2014.02,-3081.94 ; 3428,-325 3428,-85 4653,-85 4653,-325 3428,-325 ; 4001,-3306.88 4640.12,-3306.88 4833,-3114 4833,-3019 4085,-3019 4001,-3103 4001,-3306.88
  lines w10: 3977.07,-2346.86 3977.07,-2026.86 4297.07,-2026.86 4297.07,-2346.86 3977.07,-2346.86
  lines w20: 1023.52,-1694.43 1023.52,-513.33 2007.77,-513.33 2007.77,-1694.43 1023.52,-1694.43
  text "2" at 657,-71 h30
  text "3" at 736.44,-71 h30
  text "4" at 816.44,-71 h30
  text "5" at 896.44,-71 h30
  text "6" at 976.44,-71 h30
  text "2" at 3573.44,-144.94 h30
  text "3" at 3652.42,-144.94 h30
  text "4" at 3732.57,-144.94 h30
  text "5" at 3812.57,-144.94 h30
  text "6" at 3892.57,-144.94 h30
  text "7" at 3972.57,-144.94 h30
  text "8" at 4043.9,-144.94 h30
  text "9" at 4123.28,-144.94 h30
  text "10" at 4190.31,-144.94 h28
  text "11" at 4275.75,-144.94 h28
  text "12" at 4351.43,-144.94 h28
  text "13" at 4430.04,-144.94 h28
  text "14" at 4511.43,-144.94 h28
  text "15" at 4591.43,-144.94 h28
  text "22" at 646,-241 h28
  text "23" at 727,-241 h28
  text "26" at 966,-241 h28
  text "21" at 568,-242 h28
  text "25" at 884,-242 h28
  text "24" at 810.19,-243.2 h28
  text "20" at 3484.9,-252.19 h30
  text "21" at 3564.9,-252.19 h30
  text "22" at 3644.9,-252.19 h30
  text "23" at 3724.9,-252.19 h30
  text "24" at 3804.9,-252.19 h30
  text "25" at 3884.9,-252.19 h30
  text "26" at 3964.9,-252.19 h30
  text "27" at 4036.64,-252.19 h30
  text "28" at 4116.64,-252.19 h30
  text "29" at 4196.64,-252.19 h30
  text "30" at 4276.64,-252.19 h30
  text "31" at 4356.64,-252.19 h30
  text "32" at 4436.64,-252.19 h30
  text "33" at 4516.64,-252.19 h30
  text "34" at 4599,-252.19 h30
  text "42" at 724,-280 h28
  text "40" at 562,-281 h28
  text "41" at 645,-282 h28
  text "43" at 801,-282 h28
  text "44" at 880,-282 h28
  text "45" at 964,-282 h28
  text "10" at 1510,-348 h30
  text "7" at 1161,-350 h30
  text "8" at 1270,-350 h30
  text "9" at 1390,-350 h30
  text "11" at 1633,-350 h30
  text "52" at 2327,-350 h28
  text "53" at 2424,-351 h28
  text "13" at 1897,-353 h30
  text "12" at 1781,-355 h30
  text "14" at 2020,-355 h30
  text "15" at 2141,-356 h30
  text "68" at 2254,-424 h28
  text "69" at 2374,-437 h28
  text "70" at 2467,-440 h28
  text "33" at 1912,-441 h28
  text "31" at 1667,-442 h28
  text "35" at 2160,-442 h28
  text "34" at 2036,-444 h28
  text "27" at 1192,-445 h28
  text "28" at 1307,-445 h28
  text "29" at 1424,-445 h28
  text "30" at 1546,-445 h28
  text "32" at 1790,-445 h28
  text "59" at 646,-447 h28
  text "58" at 560,-448 h28
  text "60" at 726,-448 h28
  text "63" at 967,-448 h28
  text "61" at 811,-449 h28
  text "62" at 888,-449 h28
  text "Dt7.826.432" at 2625,-454 h100
  text "V1.02" at 3665,-676 h80
  text "A" at 393.64,-1623 h30
  text "202101904XB" at 3977,-1963 h31.5
  text "A" at 670.64,-2834 h30
  text "24" at 1061.2,-2908.86 h30
  text "23" at 1141.2,-2908.86 h30
  text "22" at 1221.2,-2908.86 h30
  text "21" at 1301.2,-2908.86 h30
  text "20" at 1381.2,-2908.86 h30
  text "19" at 1461.2,-2908.86 h30
  text "18" at 1541.2,-2908.86 h30
  text "17" at 1621.2,-2908.86 h30
  text "16" at 1701.2,-2908.86 h30
  text "15" at 1781.2,-2908.86 h30
  text "14" at 1861.2,-2908.86 h30
  text "9" at 2531.14,-2909.92 h30
  text "14" at 2120.12,-2910.89 h30
  text "13" at 2200.12,-2910.89 h30
  text "12" at 2280.12,-2910.89 h30
  text "11" at 2364.38,-2911.18 h30
  text "10" at 2440.12,-2910.89 h30
  text "2" at 1711.05,-3010.23 h30
  text "8" at 1390.85,-3011.12 h30
  text "8" at 2052.13,-3011.33 h30
  text "13" at 1138.98,-3011.71 h30
  text "5" at 1469.8,-3011.42 h30
  text "4" at 1548.15,-3011.42 h30
  text "3" at 1629.46,-3011.42 h30
  text "7" at 2132.5,-3012.21 h30
  text "10" at 1221.99,-3012.43 h30
  text "9" at 1312.49,-3012.89 h30
  text "2" at 2531.28,-3012.74 h30
  text "6" at 2211.08,-3013.63 h30
  text "5" at 2290.03,-3013.93 h30
  text "4" at 2368.39,-3013.93 h30
  text "3" at 2449.69,-3013.93 h30
  text "53" at 4690,-3113 h30
  text "13" at 4015.12,-3121.89 h30
  text "14" at 4095.12,-3121.89 h30
  text "15" at 4175.12,-3121.89 h30
  text "16" at 4255.12,-3121.89 h30
  text "17" at 4335.12,-3121.89 h30
  text "18" at 4415.12,-3121.89 h30
  text "19" at 4495.12,-3121.89 h30
  text "20" at 4575.12,-3121.89 h30
  text "56" at 4690,-3170 h30
  text "9" at 976,-3215 h30
  text "10" at 1024,-3215 h30
  text "11" at 1088,-3215 h30
  text "48" at 1152,-3215 h30
  text "55" at 1296,-3215 h30
  text "54" at 1222,-3216 h30
  text "73" at 1365,-3216 h30
  text "57" at 4688,-3219 h30
  text "39" at 4575.12,-3221.89 h30
  text "32" at 4010.73,-3223.12 h30
  text "33" at 4090.73,-3223.12 h30
  text "34" at 4170.73,-3223.12 h30
  text "35" at 4250.73,-3223.12 h30
  text "36" at 4330.73,-3223.12 h30
  text "37" at 4410.73,-3223.12 h30
  text "38" at 4490.73,-3223.12 h30
  text "70" at 1223,-3324 h30
  text "72" at 1367,-3324 h30
  text "66" at 1161,-3325 h30
  text "71" at 1300,-3325 h30
Bottom Overlay:
  circle w6: c-178,-359 r64.96
  circle w6: c4708,-542 r64.96
  circle w6: c3822.58,-2232.5 r64.96
  lines w5: -318.36,-2250 -39.36,-2250 -39.36,-2228 -39.36,-2160 -92.36,-2160 -318.36,-2160 -318.36,-2353 -335.36,-2370 -335.36,-2630 -335.36,-2794 -34.36,-2794 ; -241.36,-1217 -229.36,-1205 -237.36,-1205 -236.36,-1205 -229.36,-1212 -229.36,-1206 -230.36,-1205 ; -153.36,-1242 -153.36,-1233 -147.36,-1227 -155.36,-1227 -147.36,-1235 -147.36,-1228 ; -39.36,-1218 -32.36,-1225 -31.36,-1224 -31.36,-1208 -40.36,-1217 -41.36,-1217 -7.36,-1217 ; -27.36,-1065 -27.36,-1138 -21.36,-1144 ; -10.36,-807 -10.36,-1020 265.64,-1020 274.64,-1020 274.64,-927 274.64,-922 234.64,-922 230.64,-922 230.64,-893 230.64,-799 173.64,-799 -4.36,-799 -4.36,-803 -4.36,-806 -10.36,-806 ; 43.64,-796 43.64,-742 85.64,-742 97.64,-742 97.64,-795 ; 207.64,-1116 207.64,-1071 160.64,-1071 ; 404.64,-1001 404.64,-946 388.64,-946 ; 1199,-1734 1199,-1615 867,-1615 867,-1874 1237,-1874 1237,-1735 1200,-1735 ; 1199,-1712.85 1237,-1712.85 1237,-1646.85 1199,-1646.85 ; 2131.64,-1608 2186.64,-1608 2186.64,-1600 2186.64,-1548 2130.64,-1548 ; -355.36,-2378 -355.36,-2344 -341.36,-2344 -334.36,-2344 -334.36,-2209 -334.36,-2155 ; -355.36,-2378 -429.36,-2378 -455.36,-2378 -455.36,-2741 -455.36,-2753 -357.36,-2753 -355.36,-2753 -355.36,-2740 -355.36,-2378 ; -334.36,-2155 -334.36,-2143 -319.36,-2143 -303.36,-2143 -303.36,-1799 -398.36,-1799 -398.36,-1804 -398.36,-2155 -379.36,-2155 -334.36,-2155 ; -34.36,-2794 -240.36,-2794 -240.36,-2923 76.64,-2923 76.64,-2887 76.64,-2794 -34.36,-2794 ; -21.36,-1144 -22.36,-1145 -30.36,-1145 -21.36,-1136 -21.36,-1144 ; 160.64,-1071 10.64,-1071 -9.36,-1071 -9.36,-1082 -9.36,-1119 26.64,-1119 34.64,-1127 34.64,-1158 28.64,-1164 28.64,-1202 39.64,-1202 71.64,-1202 71.64,-1213 71.64,-1284 152.64,-1284 231.64,-1284 231.64,-1149 231.64,-1117 223.64,-1117 160.64,-1117 160.64,-1109 160.64,-1071 ; 388.64,-946 394.64,-952 394.64,-940 388.64,-946 ; 2130.64,-1548 1850.64,-1548 1838.64,-1548 1812.55,-1548 1812.55,-1782 1998.64,-1782 2130.64,-1782 2130.64,-1606 2130.64,-1548
  lines w10: 3978.93,-2361.86 4298.93,-2361.86 4298.93,-2041.86 3978.93,-2041.86 3978.93,-2361.86
  text "B" at 77.64,-786 h30
  text "Dt7.826.432" at 4881,-843 h100
  text "V1.02" at 4328,-1000 h100
  text "C" at 193.64,-1109 h30
  text "C" at 2173.64,-1591 h30
  text "B" at 1229,-1699 h30
  text "202101904XB" at 4304,-2014 h31.5
Mechanical 2:
  lines w5: 904.1,-2864.5 ccw(c984.78,-2795.28) 984.78,-2901.58 ; 904.1,-2864.5 cw(c2269.59,-1692.91) 904.1,-521.33 ; 904.1,-2864.5 cw(c2269.59,-1692.91) 904.1,-521.33 ; 904.1,-2864.5 ccw(c984.78,-2795.28) 984.78,-2901.58 ; 904.1,-521.33 cw(c984.78,-590.55) 984.78,-484.25 ; 904.1,-521.33 cw(c984.78,-590.55) 984.78,-484.25 ; 984.78,-2901.58 3554.41,-2901.58 ; 984.78,-2901.58 3554.41,-2901.58 ; 984.78,-484.25 3554.41,-484.25 ; 984.78,-484.25 3554.41,-484.25 ; 3554.41,-2901.58 ccw(c3554.41,-2795.28) 3635.09,-2864.5 ; 3554.41,-2901.58 ccw(c3554.41,-2795.28) 3635.09,-2864.5 ; 3554.41,-484.25 cw(c3554.41,-590.55) 3635.09,-521.33 ; 3554.41,-484.25 cw(c3554.41,-590.55) 3635.09,-521.33 ; 3635.08,-2864.5 ccw(c2269.59,-1692.91) 3635.08,-521.33 ; 3635.08,-2864.5 ccw(c2269.59,-1692.91) 3635.08,-521.33
Mechanical 13:
  lines w5: 912.03,-2806.58 ccw(c1033.79,-2706.7) 1033.79,-2864.18 3505.4,-2864.18 ccw(c3505.4,-2706.7) 3627.15,-2806.58 ccw(c2269.59,-1692.91) 3627.15,-579.25 ccw(c3505.4,-679.13) 3505.4,-521.65 2505.81,-521.65 ccw(c2505.81,-561.02) 2466.44,-561.02 2466.44,-679.13 cw(c2427.07,-679.13) 2427.07,-718.5 2112.11,-718.5 cw(c2112.11,-679.13) 2072.74,-679.13 2072.74,-561.02 ccw(c2033.37,-561.02) 2033.37,-521.65 1033.79,-521.65 ccw(c1033.79,-679.13) 912.03,-579.25 ccw(c2269.59,-1692.91) 912.03,-2806.58

## Text inside footprints (layer, text, board x,y; h text height)
D6: Bottom Overlay "8" at 1110.08,-2510.24 h30 r90; Bottom Overlay "L" at 1636.03,-2131.34 h30 r90; Bottom Overlay "K" at 1586.03,-2131.34 h30 r90; Bottom Overlay "J" at 1536.03,-2131.34 h30 r90; Bottom Overlay "7" at 1110.08,-2460.24 h30 r90; Bottom Overlay "6" at 1110.48,-2409.14 h30 r90; Bottom Overlay "5" at 1110.08,-2359.94 h30 r90; Bottom Overlay "4" at 1111.28,-2311.24 h30 r90; Bottom Overlay "3" at 1110.18,-2261.04 h30 r90; Bottom Overlay "2" at 1110.18,-2211.74 h30 r90; Bottom Overlay "1" at 1110.08,-2159.04 h30 r90; Bottom Overlay "1 脚" at 1072.13,-2121.24 h60 r90; Bottom Overlay "H" at 1486.03,-2131.34 h30 r90; Bottom Overlay "G" at 1436.39,-2131.16 h30 r90; Bottom Overlay "F" at 1386.39,-2131.16 h30 r90; Bottom Overlay "E" at 1336.57,-2131.42 h30 r90; Bottom Overlay "D" at 1286.94,-2131.05 h30 r90; Bottom Overlay "C" at 1236.94,-2130.68 h30 r90; Bottom Overlay "B" at 1187.3,-2130.97 h30 r90; Bottom Overlay "A" at 1137.48,-2129.79 h30 r90
D7: Top Overlay "7" at -1.62,-2953.71 h30 r90; Top Overlay "6" at -1.62,-3003.5 h30 r90; Top Overlay "5" at -1.62,-3053.29 h30 r90; Top Overlay "4" at -1.62,-3103.08 h30 r90; Top Overlay "3" at -1.62,-3152.86 h30 r90; Top Overlay "2" at -1.62,-3202.65 h30 r90; Top Overlay "1" at -2.12,-3245.84 h30 r90; Top Overlay "1 脚" at -43.47,-3268.65 h60 r90; Top Overlay "H" at 377.18,-3291.24 h30 r90; Top Overlay "G" at 332.18,-3291.24 h30 r90; Top Overlay "F" at 277.59,-3292.72 h30 r90; Top Overlay "E" at 227.77,-3292.46 h30 r90; Top Overlay "D" at 178.14,-3292.83 h30 r90; Top Overlay "C" at 128.14,-3293.2 h30 r90; Top Overlay "B" at 78.5,-3292.91 h30 r90; Top Overlay "A" at 28.68,-3294.09 h30 r90
D8: Bottom Overlay "5" at 3358.64,-1607 h40; Bottom Overlay "4" at 2353.64,-1601 h40; Bottom Overlay "2" at 2361.64,-639 h40; Bottom Overlay "1" at 3353.64,-638 h40
D9: Bottom Overlay "1" at 2187,-1829 h40; Bottom Overlay "5" at 1294,-1837 h40; Bottom Overlay "6" at 1214,-2707 h40; Bottom Overlay "8" at 2264,-2711 h40
J1: Top Overlay "2" at 687,-2335 h40; Top Overlay "1" at 875,-2334 h40; Top Overlay "14" at 693,-1630 h40; Top Overlay "13" at 843,-1630 h40